# KiCad board CXD-ROUTER-V1.0_PUBLISH.kicad_pcb (continued)
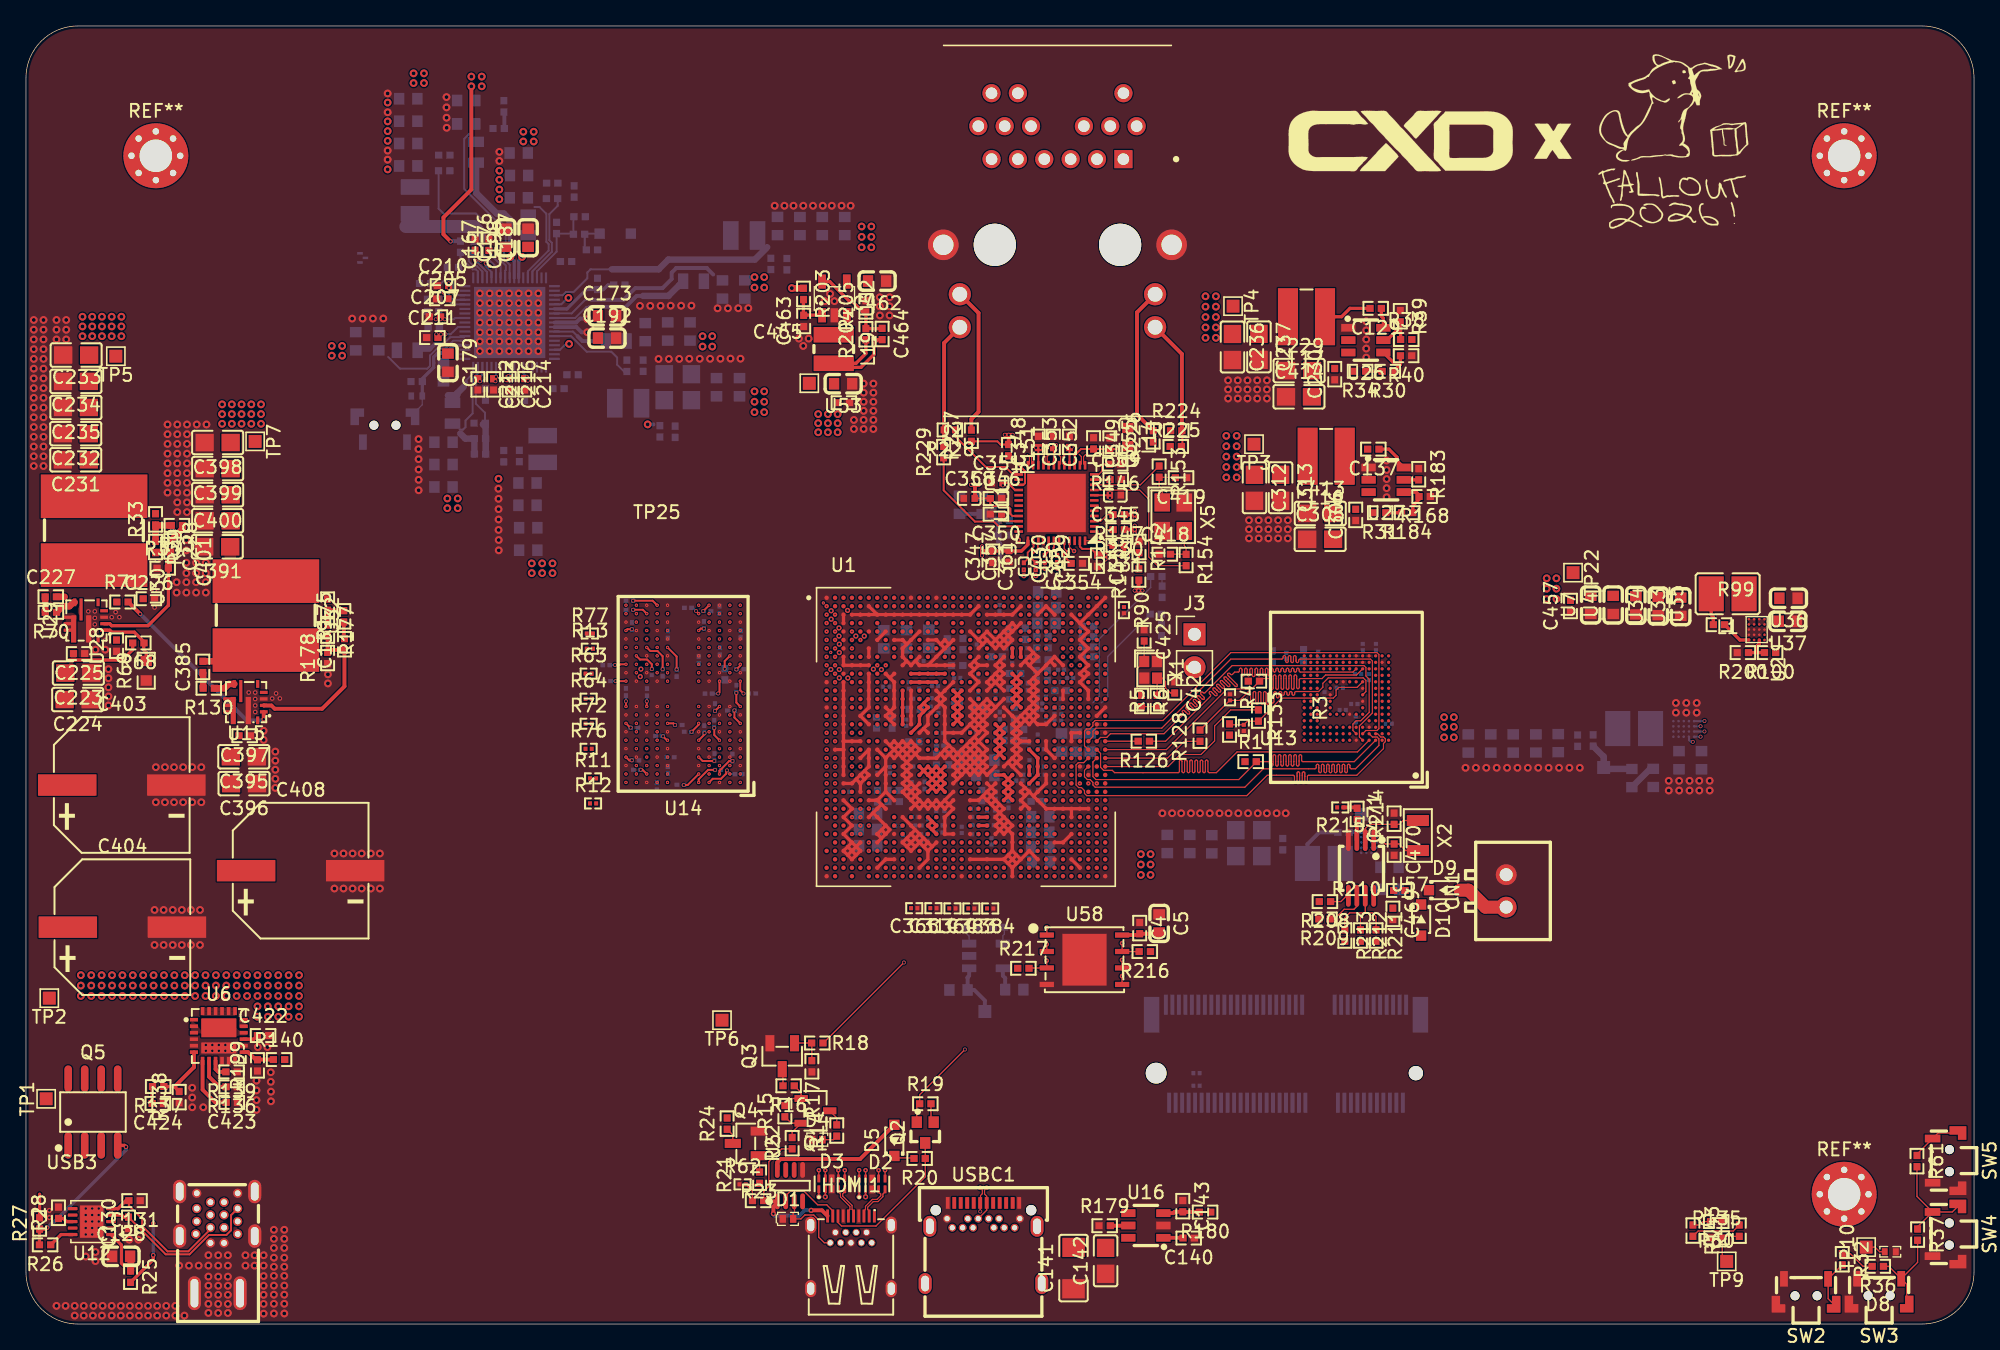
[diagram p0: board, top side]
## Footprints (pads in the part's own frame, mm; a bottom-side part is the same pattern mirrored in y, then rotated) (continued)
BLM18KG121TN1D
  rect 0.8x0.865 smd: 1(-0.7,0) 2(0.7,0)
BLM18PG330SN1D
  rect 0.8x0.865 smd: 1(-0.7,0) 2(0.7,0)
CL03A104KP3NNNC
  rect 0.37x0.325 smd: 1(-0.275,0) 2(0.275,0)
CL05A105KQ5NNNC
  rect 0.5x0.54 smd: 1(-0.42,0) 2(0.42,0)
CL10A106KP8NNNC
  rect 0.8x0.9 smd: 1(-0.7,0) 2(0.7,0)
CL10A226MQ8NRNC
  rect 0.8x0.9 smd: 1(-0.7,0) 2(0.7,0)
CL10B105KA8NNNC
  rect 0.8x0.9 smd: 1(-0.7,0) 2(0.7,0)
CL21A226KPCLRNC
  rect 1.41x1.35 smd: 1(-1,0) 2(1,0)
CL21A476MQYNNNE
  rect 1.41x1.35 smd: 1(-1,0) 2(1,0)
CRCW040222R0JNED
  rect 0.565x0.54 smd: 1(-0.435,0) 2(0.435,0)
CRCW0402249RFKED
  rect 0.565x0.54 smd: 1(-0.435,0) 2(0.435,0)
ESD5304D-10_TR
  rect 0.22x0.61 smd: 1(-1,-0.415) 2(-0.5,-0.415) 4(0.5,-0.415) 5(1,-0.415) 6(1,0.415) 7(0.5,0.415) 9(-0.5,0.415) 10(-1,0.415)
  rect 0.41x0.61 smd: 3(0,-0.415) 8(0,0.415)
ESD5341N-2_TR
  rect 0.5x0.6 smd: 1(-0.4,0) 2(0.4,0)
ESD5451N-2_TR
  rect 0.45x0.55 smd: 1(-0.425,0) 2(0.425,0)
FEXL0730A-3R3M
  rect 3.36x8.21 smd: 1(2.655,0) 2(-2.655,0)
FRC0402F1693TS
  rect 0.565x0.54 smd: 1(-0.435,0) 2(0.435,0)
FTC303020D2R2MBCA
  rect 1.2x3.1 smd: 1(-1.1,0) 2(1.1,0)
FTC322512SR22MBCA
  rect 1.935x2.7 smd: 1(-1.265,0) 2(1.265,0)
FTC404030S3R3MGCA
  rect 1.55x4.4 smd: 1(-1.425,0) 2(1.425,0)
GRM21BR61A476ME15L
  rect 1.41x1.35 smd: 1(-1,0) 2(1,0)
GRM21BR61H106KE43L
  rect 1.41x1.35 smd: 1(-1,0) 2(1,0)
GRM31CR61A107MEA8L
  rect 1.485x1.73 smd: 1(-1.595,0) 2(1.595,0)
GRM188R60J226KEA0D
  rect 0.8x0.9 smd: 1(-0.7,0) 2(0.7,0)
H9HCNNN8KUMLHR-NME
  oval 0.24x0.24 smd: 78.85(-1.2,-6.825) A1(-4.4,6.825) A2(-3.6,6.825) A3(-2.8,6.825) A4(-2,6.825) A5(-1.2,6.825) A8(1.2,6.825) A9(2,6.825) A10(2.8,6.825) A11(3.6,6.825) A12(4.4,6.825) AA1(-4.4,-6.175) AA2(-3.6,-6.175) AA3(-2.8,-6.175) AA4(-2,-6.175) AA5(-1.2,-6.175) AA8(1.2,-6.175) AA9(2,-6.175) AA10(2.8,-6.175) AA11(3.6,-6.175) AA12(4.4,-6.175) AB1(-4.4,-6.825) AB2(-3.6,-6.825) AB3(-2.8,-6.825) AB4(-2,-6.825) AB8(1.2,-6.825) AB9(2,-6.825) AB10(2.8,-6.825) AB11(3.6,-6.825) AB12(4.4,-6.825) B1(-4.4,6.175) B2(-3.6,6.175) B3(-2.8,6.175) B4(-2,6.175) B5(-1.2,6.175) B8(1.2,6.175) B9(2,6.175) B10(2.8,6.175) B11(3.6,6.175) B12(4.4,6.175) C1(-4.4,5.525) C2(-3.6,5.525) C3(-2.8,5.525) C4(-2,5.525) C5(-1.2,5.525) C8(1.2,5.525) C9(2,5.525) C10(2.8,5.525) C11(3.6,5.525) C12(4.4,5.525) D1(-4.4,4.875) D2(-3.6,4.875) D3(-2.8,4.875) D4(-2,4.875) D5(-1.2,4.875) D8(1.2,4.875) D9(2,4.875) D10(2.8,4.875) D11(3.6,4.875) D12(4.4,4.875) E1(-4.4,4.225) E2(-3.6,4.225) E3(-2.8,4.225) E4(-2,4.225) E5(-1.2,4.225) E8(1.2,4.225) E9(2,4.225) E10(2.8,4.225) E11(3.6,4.225) E12(4.4,4.225) F1(-4.4,3.575) F2(-3.6,3.575) F3(-2.8,3.575) F4(-2,3.575) F5(-1.2,3.575) F8(1.2,3.575) F9(2,3.575) F10(2.8,3.575) F11(3.6,3.575) F12(4.4,3.575) G1(-4.4,2.925) G2(-3.6,2.925) G3(-2.8,2.925) G4(-2,2.925) G5(-1.2,2.925) G8(1.2,2.925) G9(2,2.925) G10(2.8,2.925) G11(3.6,2.925) G12(4.4,2.925) H1(-4.4,2.275) H2(-3.6,2.275) H3(-2.8,2.275) H4(-2,2.275) H5(-1.2,2.275) H8(1.2,2.275) H9(2,2.275) H10(2.8,2.275) H11(3.6,2.275) H12(4.4,2.275) J1(-4.4,1.625) J2(-3.6,1.625) J3(-2.8,1.625) J4(-2,1.625) J5(-1.2,1.625) J8(1.2,1.625) J9(2,1.625) J10(2.8,1.625) J11(3.6,1.625) J12(4.4,1.625) K1(-4.4,0.975) K2(-3.6,0.975) K3(-2.8,0.975) K4(-2,0.975) K5(-1.2,0.975) K8(1.2,0.975) K9(2,0.975) K10(2.8,0.975) K11(3.6,0.975) K12(4.4,0.975) N1(-4.4,-0.975) N2(-3.6,-0.975) N3(-2.8,-0.975) N4(-2,-0.975) N5(-1.2,-0.975) N8(1.2,-0.975) N9(2,-0.975) N10(2.8,-0.975) N11(3.6,-0.975) N12(4.4,-0.975) P1(-4.4,-1.625) P2(-3.6,-1.625) P3(-2.8,-1.625) P4(-2,-1.625) P5(-1.2,-1.625) P8(1.2,-1.625) P9(2,-1.625) P10(2.8,-1.625) P11(3.6,-1.625) P12(4.4,-1.625) R1(-4.4,-2.275) R2(-3.6,-2.275) R3(-2.8,-2.275) R4(-2,-2.275) R5(-1.2,-2.275) R8(1.2,-2.275) R9(2,-2.275) R10(2.8,-2.275) R11(3.6,-2.275) R12(4.4,-2.275) T1(-4.4,-2.925) T2(-3.6,-2.925) T3(-2.8,-2.925) T4(-2,-2.925) T5(-1.2,-2.925) T8(1.2,-2.925) T9(2,-2.925) T10(2.8,-2.925) T11(3.6,-2.925) T12(4.4,-2.925) U1(-4.4,-3.575) U2(-3.6,-3.575) U3(-2.8,-3.575) U4(-2,-3.575) U5(-1.2,-3.575) U8(1.2,-3.575) U9(2,-3.575) U10(2.8,-3.575) U11(3.6,-3.575) U12(4.4,-3.575) V1(-4.4,-4.225) V2(-3.6,-4.225) V3(-2.8,-4.225) V4(-2,-4.225) V5(-1.2,-4.225) V8(1.2,-4.225) V9(2,-4.225) V10(2.8,-4.225) V11(3.6,-4.225) V12(4.4,-4.225) W1(-4.4,-4.875) W2(-3.6,-4.875) W3(-2.8,-4.875) W4(-2,-4.875) W5(-1.2,-4.875) W8(1.2,-4.875) W9(2,-4.875) W10(2.8,-4.875) W11(3.6,-4.875) W12(4.4,-4.875) Y1(-4.4,-5.525) Y2(-3.6,-5.525) Y3(-2.8,-5.525) Y4(-2,-5.525) Y5(-1.2,-5.525) Y8(1.2,-5.525) Y9(2,-5.525) Y10(2.8,-5.525) Y11(3.6,-5.525) Y12(4.4,-5.525)
HC-TYPE-C-16P-FL6_65Q-5A-06
  oval 1x1.8 hole 0.6x1.4: 1(-2.89,3.915) 2(2.89,3.915) 3(2.89,0.485) 4(-2.89,0.485)
  oval 1x2.6 hole 0.6x2.2: 5(-1.755,-3.915) 6(1.755,-3.915)
  oval 0.7x0.7 hole 0.45: A1(1.575,3.785) A4(0.525,3.095) A5(1.575,2.605) A6(0.525,2.115) A7(1.575,1.615) A8(0.525,1.135) A9(1.575,0.645) A12(0.525,-0.045) B1(-0.525,-0.045) B4(-1.65,0.645) B5(-0.525,1.135) B6(-1.575,1.615) B7(-0.525,2.115) B8(-1.575,2.605) B9(-0.525,3.095) B12(-1.575,3.785)
HDMI-GD-121PWB
  rect 0.22x1 smd: 1(1.8,2.8) 3(1.4,2.8) 5(1,2.8) 7(0.6,2.8) 9(0.2,2.8) 11(-0.2,2.8) 13(-0.6,2.8) 15(-1,2.8) 17(-1.4,2.8) 19(-1.8,2.8)
  oval 0.55x0.55 hole 0.4: 2(1.6,0.735) 4(1.2,1.535) 6(0.8,0.735) 8(0.4,1.535) 10(0,0.735) 12(-0.4,1.535) 14(-0.8,0.735) 16(-1.2,1.535) 18(-1.6,0.735)
  oval 0.85x1.3 hole 0.55x0.95: 20(-3.1,2.1) 21(-3.1,-2.795) 22(3.1,-2.8) 23(3.1,2.1)
HYM8563S
  oval 0.365x1.69 smd: 1(-0.975,-2.145) 2(-0.325,-2.145) 3(0.325,-2.145) 4(0.975,-2.145) 5(0.975,2.145) 6(0.325,2.145) 7(-0.325,2.145) 8(-0.975,2.145)
KLMBG2JETD-B041
  oval 0.25x0.25 smd: A1(-3.25,3.25) A2(-2.75,3.25) A3(-2.25,3.25) A4(-1.75,3.25) A5(-1.25,3.25) A6(-0.75,3.25) A7(-0.25,3.25) A8(0.25,3.25) A9(0.75,3.25) A10(1.25,3.25) A11(1.75,3.25) A12(2.25,3.25) A13(2.75,3.25) A14(3.25,3.25) B1(-3.25,2.75) B2(-2.75,2.75) B3(-2.25,2.75) B4(-1.75,2.75) B5(-1.25,2.75) B6(-0.75,2.75) B7(-0.25,2.75) B8(0.25,2.75) B9(0.75,2.75) B10(1.25,2.75) B11(1.75,2.75) B12(2.25,2.75) B13(2.75,2.75) B14(3.25,2.75) C1(-3.25,2.25) C2(-2.75,2.25) C3(-2.25,2.25) C4(-1.75,2.25) C5(-1.25,2.25) C6(-0.75,2.25) C7(-0.25,2.25) C8(0.25,2.25) C9(0.75,2.25) C10(1.25,2.25) C11(1.75,2.25) C12(2.25,2.25) C13(2.75,2.25) C14(3.25,2.25) D1(-3.25,1.75) D2(-2.75,1.75) D3(-2.25,1.75) D4(-1.75,1.75) D12(2.25,1.75) D13(2.75,1.75) D14(3.25,1.75) E1(-3.25,1.25) E2(-2.75,1.25) E3(-2.25,1.25) E5(-1.25,1.25) E6(-0.75,1.25) E7(-0.25,1.25) E8(0.25,1.25) E9(0.75,1.25) E10(1.25,1.25) E12(2.25,1.25) E13(2.75,1.25) E14(3.25,1.25) F1(-3.25,0.75) F2(-2.75,0.75) F3(-2.25,0.75) F5(-1.25,0.75) F10(1.25,0.75) F12(2.25,0.75) F13(2.75,0.75) F14(3.25,0.75) G1(-3.25,0.25) G2(-2.75,0.25) G3(-2.25,0.25) G5(-1.25,0.25) G10(1.25,0.25) G12(2.25,0.25) G13(2.75,0.25) G14(3.25,0.25) H1(-3.25,-0.25) H2(-2.75,-0.25) H3(-2.25,-0.25) H5(-1.25,-0.25) H10(1.25,-0.25) H12(2.25,-0.25) H13(2.75,-0.25) H14(3.25,-0.25) J1(-3.25,-0.75) J2(-2.75,-0.75) J3(-2.25,-0.75) J5(-1.25,-0.75) J10(1.25,-0.75) J12(2.25,-0.75) J13(2.75,-0.75) J14(3.25,-0.75) K1(-3.25,-1.25) K2(-2.75,-1.25) K3(-2.25,-1.25) K5(-1.25,-1.25) K6(-0.75,-1.25) K7(-0.25,-1.25) K8(0.25,-1.25) K9(0.75,-1.25) K10(1.25,-1.25) K12(2.25,-1.25) K13(2.75,-1.25) K14(3.25,-1.25) L1(-3.25,-1.75) L2(-2.75,-1.75) L3(-2.25,-1.75) L12(2.25,-1.75) L13(2.75,-1.75) L14(3.25,-1.75) M1(-3.25,-2.25) M2(-2.75,-2.25) M3(-2.25,-2.25) M4(-1.75,-2.25) M5(-1.25,-2.25) M6(-0.75,-2.25) M7(-0.25,-2.25) M8(0.25,-2.25) M9(0.75,-2.25) M10(1.25,-2.25) M11(1.75,-2.25) M12(2.25,-2.25) M13(2.75,-2.25) M14(3.25,-2.25) N1(-3.25,-2.75) N2(-2.75,-2.75) N3(-2.25,-2.75) N4(-1.75,-2.75) N5(-1.25,-2.75) N6(-0.75,-2.75) N7(-0.25,-2.75) N8(0.25,-2.75) N9(0.75,-2.75) N10(1.25,-2.75) N11(1.75,-2.75) N12(2.25,-2.75) N13(2.75,-2.75) N14(3.25,-2.75) P1(-3.25,-3.25) P2(-2.75,-3.25) P3(-2.25,-3.25) P4(-1.75,-3.25) P5(-1.25,-3.25) P6(-0.75,-3.25) P7(-0.25,-3.25) P8(0.25,-3.25) P9(0.75,-3.25) P10(1.25,-3.25) P11(1.75,-3.25) P12(2.25,-3.25) P13(2.75,-3.25) P14(3.25,-3.25)
MountingHole_2.5mm_Pad_Via
  round 0.8 hole 0.5: 1(-1.875,0) 1(-1.326,1.326) 1(-1.326,-1.326) 1(0,1.875) 1(0,-1.875) 1(1.326,1.326) 1(1.326,-1.326) 1(1.875,0)
  round 5 hole 2.5: 1(0,0)
MTC201208-R47MT
  rect 0.8x1.2 smd: 1(-0.8,0) 2(0.8,0)
PinHeader_1x02_P2.54mm_Vertical
  rect 1.7x1.7 hole 1: 1(0,0)
  round 1.7 hole 1: 2(0,-2.54)
PULSE_JT4-1108HL
  round 3.25 hole 3.25 unplated: (-4.825,-6.6) (4.825,-6.6)
  rect 1.398x1.398 hole 0.89: 1(5.075,0)
  round 1.398 hole 0.89: 2(3.045,0) 3(1.015,0) 4(-1.015,0) 5(-3.045,0) 6(-5.075,0) 7(6.095,2.54) 8(4.065,2.54) 9(2.035,2.54) 10(-2.035,2.54) 11(-4.065,2.54) 12(-6.095,2.54) 13(5.08,5.08) 14(-3.05,5.08) 15(-5.08,5.08)
  round 1.71 hole 1.14: 16(7.52,-10.41) 17(7.52,-12.95) 18(-7.52,-10.41) 19(-7.52,-12.95)
  round 2.355 hole 1.57: 20(-8.79,-6.6) 21(8.79,-6.6)
QFN35P700X700X90-69N
  rrect 0.84x0.17 smd: 1(-3.445,2.8) 2(-3.445,2.45) 3(-3.445,2.1) 4(-3.445,1.75) 5(-3.445,1.4) 6(-3.445,1.05) 7(-3.445,0.7) 8(-3.445,0.35) 9(-3.445,0) 10(-3.445,-0.35) 11(-3.445,-0.7) 12(-3.445,-1.05) 13(-3.445,-1.4) 14(-3.445,-1.75) 15(-3.445,-2.1) 16(-3.445,-2.45) 17(-3.445,-2.8) 35(3.445,-2.8) 36(3.445,-2.45) 37(3.445,-2.1) 38(3.445,-1.75) 39(3.445,-1.4) 40(3.445,-1.05) 41(3.445,-0.7) 42(3.445,-0.35) 43(3.445,0) 44(3.445,0.35) 45(3.445,0.7) 46(3.445,1.05) 47(3.445,1.4) 48(3.445,1.75) 49(3.445,2.1) 50(3.445,2.45) 51(3.445,2.8)
  rrect 0.17x0.84 smd: 18(-2.8,-3.445) 19(-2.45,-3.445) 20(-2.1,-3.445) 21(-1.75,-3.445) 22(-1.4,-3.445) 23(-1.05,-3.445) 24(-0.7,-3.445) 25(-0.35,-3.445) 26(0,-3.445) 27(0.35,-3.445) 28(0.7,-3.445) 29(1.05,-3.445) 30(1.4,-3.445) 31(1.75,-3.445) 32(2.1,-3.445) 33(2.45,-3.445) 34(2.8,-3.445) 52(2.8,3.445) 53(2.45,3.445) 54(2.1,3.445) 55(1.75,3.445) 56(1.4,3.445) 57(1.05,3.445) 58(0.7,3.445) 59(0.35,3.445) 60(0,3.445) 61(-0.35,3.445) 62(-0.7,3.445) 63(-1.05,3.445) 64(-1.4,3.445) 65(-1.75,3.445) 66(-2.1,3.445) 67(-2.45,3.445) 68(-2.8,3.445)
  rect 5.49x5.49 smd: 69(0,0)
RC0201FR-0747KL
  rect 0.305x0.325 smd: 1(-0.24,0) 2(0.24,0)
RC0201FR-0749R9L
  rect 0.305x0.325 smd: 1(-0.24,0) 2(0.24,0)
RC0201FR-07200KL
  rect 0.305x0.325 smd: 1(-0.24,0) 2(0.24,0)
RC0201FR-07240RL
  rect 0.305x0.325 smd: 1(-0.24,0) 2(0.24,0)
RC0402FR-071KL
  rect 0.565x0.54 smd: 1(-0.435,0) 2(0.435,0)
RC0402FR-071ML
  rect 0.565x0.54 smd: 1(-0.435,0) 2(0.435,0)
RC0402FR-072K2L
  rect 0.565x0.54 smd: 1(-0.435,0) 2(0.435,0)
RC0402FR-072K49L
  rect 0.565x0.54 smd: 1(-0.435,0) 2(0.435,0)
RC0402FR-073KL
  rect 0.565x0.54 smd: 1(-0.435,0) 2(0.435,0)
RC0402FR-074K7L
  rect 0.565x0.54 smd: 1(-0.435,0) 2(0.435,0)
RC0402FR-075K1L
  rect 0.565x0.54 smd: 1(-0.435,0) 2(0.435,0)
RC0402FR-076K8L
  rect 0.565x0.54 smd: 1(-0.435,0) 2(0.435,0)
RC0402FR-0710KL
  rect 0.565x0.54 smd: 1(-0.435,0) 2(0.435,0)
RC0402FR-0710RL
  rect 0.565x0.54 smd: 1(-0.435,0) 2(0.435,0)
RC0402FR-0712KL
  rect 0.565x0.54 smd: 1(-0.435,0) 2(0.435,0)
RC0402FR-0715KL
  rect 0.565x0.54 smd: 1(-0.435,0) 2(0.435,0)
RC0402FR-0720KL
  rect 0.565x0.54 smd: 1(-0.435,0) 2(0.435,0)
RC0402FR-0733K2L
  rect 0.565x0.54 smd: 1(-0.435,0) 2(0.435,0)
RC0402FR-0749K9L
  rect 0.565x0.54 smd: 1(-0.435,0) 2(0.435,0)
RC0402FR-0768KL
  rect 0.565x0.54 smd: 1(-0.435,0) 2(0.435,0)
RC0402FR-07100KL
  rect 0.565x0.54 smd: 1(-0.435,0) 2(0.435,0)
RC0402FR-07100RL
  rect 0.565x0.54 smd: 1(-0.435,0) 2(0.435,0)
RC0402FR-07120KL
  rect 0.565x0.54 smd: 1(-0.435,0) 2(0.435,0)
RC0402FR-07300RL
  rect 0.565x0.54 smd: 1(-0.435,0) 2(0.435,0)
RC0402FR-07510KL
  rect 0.565x0.54 smd: 1(-0.435,0) 2(0.435,0)
RC0402FR-07510RL
  rect 0.565x0.54 smd: 1(-0.435,0) 2(0.435,0)
RC0402JR-070RL
  rect 0.565x0.54 smd: 1(-0.435,0) 2(0.435,0)
RC0402JR-071KL
  rect 0.565x0.54 smd: 1(-0.435,0) 2(0.435,0)
RC0402JR-0710KL
  rect 0.565x0.54 smd: 1(-0.435,0) 2(0.435,0)
RC0402JR-0720KL
  rect 0.565x0.54 smd: 1(-0.435,0) 2(0.435,0)
RC0402JR-0722RL
  rect 0.565x0.54 smd: 1(-0.435,0) 2(0.435,0)
RC0402JR-0727KL
  rect 0.565x0.54 smd: 1(-0.435,0) 2(0.435,0)
RC0402JR-07100KL
  rect 0.565x0.54 smd: 1(-0.435,0) 2(0.435,0)
RCLAMP0512TQTCT
  rect 0.2x0.43 smd: 1(-0.35,-0.21) 2(0.35,-0.21) 3(0,0.21)
RK860-2
  oval 0.2x0.2 smd: A1(-0.6,0.8) A2(-0.2,0.8) A3(0.2,0.8) A4(0.6,0.8) B1(-0.6,0.4) B2(-0.2,0.4) B3(0.2,0.4) B4(0.6,0.4) C1(-0.6,0) C2(-0.2,0) C3(0.2,0) C4(0.6,0) D1(-0.6,-0.4) D2(-0.2,-0.4) D3(0.2,-0.4) D4(0.6,-0.4) E1(-0.6,-0.8) E2(-0.2,-0.8) E3(0.2,-0.8) E4(0.6,-0.8)
RK860-3
  oval 0.2x0.2 smd: A1(-0.6,0.8) A2(-0.2,0.8) A3(0.2,0.8) A4(0.6,0.8) B1(-0.6,0.4) B2(-0.2,0.4) B3(0.2,0.4) B4(0.6,0.4) C1(-0.6,0) C2(-0.2,0) C3(0.2,0) C4(0.6,0) D1(-0.6,-0.4) D2(-0.2,-0.4) D3(0.2,-0.4) D4(0.6,-0.4) E1(-0.6,-0.8) E2(-0.2,-0.8) E3(0.2,-0.8) E4(0.6,-0.8)
RS0102YH8
  oval 0.365x1.22 smd: 1(-0.975,-1.21) 2(-0.325,-1.21) 3(0.325,-1.21) 4(0.975,-1.21) 5(0.975,1.21) 6(0.325,1.21) 7(-0.325,1.21) 8(-0.975,1.21)
RT0402BRD0723K7L
  rect 0.565x0.54 smd: 1(-0.435,0) 2(0.435,0)
RT0402BRD0745K3L
  rect 0.565x0.54 smd: 1(-0.435,0) 2(0.435,0)
RT0402BRD0752K3L
  rect 0.565x0.54 smd: 1(-0.435,0) 2(0.435,0)
RT0402BRD07200KL
  rect 0.565x0.54 smd: 1(-0.435,0) 2(0.435,0)
RT0603BRD0736K1L
  rect 0.805x0.865 smd: 1(-0.755,0) 2(0.755,0)
RTL8125BG-CG
  rect 0.2x0.665 smd: 1(-2.2,-2.91) 2(-1.8,-2.91) 3(-1.4,-2.91) 4(-1,-2.91) 5(-0.6,-2.91) 6(-0.2,-2.91) 7(0.2,-2.91) 8(0.6,-2.91) 9(1,-2.91) 10(1.4,-2.91) 11(1.8,-2.91) 12(2.2,-2.91) 25(2.2,2.91) 26(1.8,2.91) 27(1.4,2.91) 28(1,2.91) 29(0.6,2.91) 30(0.2,2.91) 31(-0.2,2.91) 32(-0.6,2.91) 33(-1,2.91) 34(-1.4,2.91) 35(-1.8,2.91) 36(-2.2,2.91)
  rect 0.665x0.2 smd: 13(2.91,-2.2) 14(2.91,-1.8) 15(2.91,-1.4) 16(2.91,-1) 17(2.91,-0.6) 18(2.91,-0.2) 19(2.91,0.2) 20(2.91,0.6) 21(2.91,1) 22(2.91,1.4) 23(2.91,1.8) 24(2.91,2.2) 37(-2.91,2.2) 38(-2.91,1.8) 39(-2.91,1.4) 40(-2.91,1) 41(-2.91,0.6) 42(-2.91,0.2) 43(-2.91,-0.2) 44(-2.91,-0.6) 45(-2.91,-1) 46(-2.91,-1.4) 47(-2.91,-1.8) 48(-2.91,-2.2)
  rect 4.5x4.5 smd: 49(0,0)
S8050-J3Y_C18221467
  rect 1.25x0.7 smd: 1(1,-0.95) 2(1,0.95) 3(-1,0)
SC-32S32_768kHz20PPM12_5pF
  rect 0.85x1.7 smd: 1(-1.155,0) 2(1.155,0)
SGM2576YN5G_TR
  rect 1.1x0.6 smd: 1(-1.3,0.95) 2(-1.3,0) 3(-1.3,-0.95) 4(1.3,-0.95) 5(1.3,0.95)
SY8089AAAC
  rect 1.1x0.6 smd: 1(1.3,-0.95) 2(1.3,0) 3(1.3,0.95) 4(-1.3,0.95) 5(-1.3,-0.95)
TestPoint_Pad_1.0x1.0mm
  rect 1x1 smd: 1(0,0)
TPS56A37RPAR
  rect 0.25x0.6 smd: 1(-0.75,-1.315) 2(-0.25,-1.315) 3(0.25,-1.315) 4(0.75,-1.315)
  rect 0.6x0.25 smd: 5(1.4,-0.85) 7(1.4,0.95) 10(-1.4,-0.85)
  rect 1.7x0.25 smd: 6(0.85,0.455)
  custom 2.1x0.97 smd: 8(-0.65,1.315)
  rect 2.1x0.4 smd: 9(-0.65,-0.13)
TPS2553DBVR
  rect 1.1x0.6 smd: 1(1.35,-0.95) 2(1.35,0) 3(1.35,0.95) 4(-1.35,0.95) 5(-1.35,0) 6(-1.35,-0.95)
TPS56637RPAR
  rect 0.6x0.25 smd: 1(-1.36,0.75) 2(-1.36,0.25) 3(-1.36,-0.25) 4(-1.36,-0.75)
  rect 0.25x0.6 smd: 5(-0.89,-1.4) 7(0.91,-1.4) 10(-0.89,1.4)
  rect 0.25x1.7 smd: 6(0.41,-0.85)
  rect 0.4x2.1 smd: 8(0.99,0.65) 9(-0.17,0.65)
  rect 0.8x0.25 smd: 8(1.36,0.75) 8(1.36,0.25) 8(1.36,-0.25)
TPS259804ONRGER
  rect 0.625x0.28 smd: 1(-1.915,1.25) 2(-1.915,0.75) 3(-1.915,0.25) 4(-1.915,-0.25) 5(-1.915,-0.75) 6(-1.915,-1.25) 13(1.915,-1.25) 14(1.915,-0.75) 15(1.915,-0.25) 16(1.915,0.25) 17(1.915,0.75) 18(1.915,1.25)
  rect 0.28x0.625 smd: 7(-1.25,-1.915) 8(-0.75,-1.915) 9(-0.25,-1.915) 10(0.25,-1.915) 11(0.75,-1.915) 12(1.25,-1.915) 19(1.25,1.915) 20(0.75,1.915) 21(0.25,1.915) 22(-0.25,1.915) 23(-0.75,1.915) 24(-1.25,1.915)
  rect 2.7x1.45 smd: 25(0,0.625)
  rect 2.7x0.85 smd: 26(0,-0.925)
TPS563201DDCR
  rect 1.1x0.6 smd: 1(1.35,-0.95) 2(1.35,0) 3(1.35,0.95) 4(-1.35,0.95) 5(-1.35,0) 6(-1.35,-0.95)
TS24CA
  round 0.7 hole 0.7 unplated: (-0.85,0.325) (0.85,0.325)
  rect 0.6x1.2 smd: 1(-1.7,-0.975) 2(1.7,-0.975)
  custom 1.05x1.3 smd: 3(2.125,0.975) 4(-2.125,0.975)
TYPE-C-31-M-04
  round 0.8 hole 0.8 unplated: (-3.675,2.545) (3.675,2.545)
  oval 1x1.6 hole 0.6x1.2: 0(-4.49,-3.105) 0(-4.13,1.305) 0(4.13,1.305) 0(4.49,-3.105)
  rect 0.3x0.9 smd: A1(-2.75,3.105) A2(-2.25,3.105) A3(-1.75,3.105) A4(-1.25,3.105) A5(-0.75,3.105) A6(-0.25,3.105) A7(0.25,3.105) A8(0.75,3.105) A9(1.25,3.105) A10(1.75,3.105) A11(2.25,3.105) A12(2.75,3.105)
  oval 0.6x0.6 hole 0.4: B1(2.8,1.895) B2(2.4,1.195) B3(1.6,1.195) B4(1.2,1.895) B5(0.8,1.195) B6(0.4,1.895) B7(-0.4,1.895) B8(-0.8,1.195) B9(-1.2,1.895) B10(-1.6,1.195) B11(-2.4,1.195) B12(-2.8,1.895)
VKME1001K101MV
  rect 4.5x1.65 smd: 1(-4.2,0) 2(4.2,0)
W25Q256JWPIQ
  rect 1.1x0.4 smd: 1(-2.9,1.905) 2(-2.9,0.635) 3(-2.9,-0.635) 4(-2.9,-1.905) 5(2.9,-1.905) 6(2.9,-0.635) 7(2.9,0.635) 8(2.9,1.905)
  rect 3.4x4 smd: 9(0,0)
WDFN-10-1EP_3x3mm_P0.5mm_EP1.8x2.5mm
  rrect 0.73x1.01 smd: (-0.45,0.625) (-0.45,-0.625) (0.45,0.625) (0.45,-0.625)
  rrect 0.75x0.25 smd: 1(-1.475,1) 2(-1.475,0.5) 3(-1.475,0) 4(-1.475,-0.5) 5(-1.475,-1) 6(1.475,-1) 7(1.475,-0.5) 8(1.475,0) 9(1.475,0.5) 10(1.475,1)
  rect 1.8x2.5 smd: 11(0,0)
WPM3407-3_TR
  rect 1.035x0.53 smd: 1(1.1,-0.95) 2(1.1,0.95) 3(-1.1,0)
XL2EL89COI-111YLC-25M
  rect 1.4x1.2 smd: 1(-1.1,-0.85) 2(1.1,-0.85) 3(1.1,0.85) 4(-1.1,0.85)
XL7EL89CKI-111YLC-24M
  rect 0.875x0.775 smd: 1(-0.64,-0.49) 2(0.64,-0.49) 3(0.64,0.49) 4(-0.64,0.49)

## Nets
0V95_ETH: C312.1 C313.1 C345.2 C347.2 C348.1 C351.2 C353.1 C356.1 C357.2 C359.1 L16.2 R31.2 TP3.1 U11.8 U11.11 U11.16 U11.22 U11.28 U11.37 U11.47
3V3_M0: C391.1 C398.1 C399.1 C400.1 C401.1 CN2.2 CN2.4 CN2.72 CN2.74 R176.2 TP7.1 U32.2
3V3_M1: TP6.1
/5V_USB_1: C141.2 C142.2 U16.6 USBC1.A4 USBC1.A9 USBC1.B4 USBC1.B9
/15V_PD_OUT: C223.2 C224.2 C225.2 C229.2 C230.2 C395.2 C396.2 C397.2 C403.1 C404.1 C408.1 C414.2 R38.2 R68.2 R140.2 TP2.1 U6.17 U6.18 U6.19 U6.20 U6.21 U6.22 U6.23 U6.24 U15.8 U26.3 U29.8
/15V_PD_OUT_UNFUSED: C424.2 Q5.5 Q5.6 Q5.7 Q5.8 R137.2 TP1.1 U6.1 U6.2 U6.3 U6.16 U6.25
/ETHERNET & MAGNETICS/AVDD33_PLL_E2: C349.2 C355.2 L14.2 U11.15
/ETHERNET & MAGNETICS/DVDD33_29_E2: U11.29 U11.46
GND: C1.1 C2.1 C3.2 C4.1 C5.1 C6.1 C7.1 C8.1 C9.1 C10.1 C11.2 C12.2 C13.1 C14.2 C15.2 C16.2 C17.2 C18.2 C19.2 C20.2 C21.2 C22.2 C23.2 C24.2 C25.2 C26.2 C27.2 C28.2 C29.2 C30.2 C31.2 C32.1 C33.1 C34.1 C35.1 C36.1 C37.1 C38.1 C39.1 C43.1 C46.2 C47.2 C48.2 C49.2 C50.2 C51.2 C53.1 C54.1 C55.1 C56.1 C57.1 C58.1 C59.1 C60.2 C61.2 C62.2 C63.2 C64.2 C65.2 C66.2 C67.2 C68.1 C69.1 C70.1 C71.1 C72.1 C73.1 C74.2 C75.2 C76.2 C77.1 C78.1 C79.1 C80.1 C81.1 C82.1 C83.2 C84.1 C85.1 C86.2 C87.2 C88.2 C89.2 C90.2 C91.2 C92.2 C93.2 C94.1 C95.1 C96.1 C97.1 C98.1 C99.2 C100.2 C101.2 C102.1 C103.1 C104.1 C105.1 C106.1 C107.1 C108.1 C109.1 C110.1 C111.1 C112.1 C113.1 C114.1 C115.1 C116.1 C117.1 C118.2 C119.2 C120.2 C121.1 C122.1 C123.1 C125.2 C126.2 C127.2 C128.1 C130.1 C131.1 C140.1 C141.1 C142.1 C143.1 C149.2 C151.1 C152.1 C153.1 C154.1 C155.2 C157.1 C158.1 C159.1 C160.1 C161.2 C163.1 C164.1 C165.1 C166.1 C167.2 C169.1 C170.1 C171.1 C172.1 C173.2 C174.1 C175.1 C176.2 C177.1 C178.1 C179.2 C180.1 C181.1 C182.2 C184.1 C185.1 C186.1 C187.2 C188.1 C189.1 C190.1 C192.2 C193.1 C194.1 C195.1 C197.1 C198.1 C200.2 C201.2 C202.1 C203.1 C204.1 C205.1 C206.1 C207.1 C208.1 C209.1 C210.1 C211.1 C212.2 C213.2 C214.2 C215.2 C216.2 C223.1 C224.1 C225.1 C226.2 C229.1 C230.1 C231.2 C232.2 C233.2 C234.2 C235.2 C236.2 C237.2 C238.2 C239.2 C256.1 C257.1 C260.1 C262.1 C263.1 C264.1 C265.1 C266.1 C267.1 C268.1 C269.1 C270.1 C271.1 C272.1 C273.1 C274.1 C275.1 C276.1 C277.1 C278.1 C280.1 C281.1 C282.1 C286.1 C287.1 C288.1 C289.1 C290.1 C291.1 C292.1 C293.1 C295.1 C296.1 C297.1 C298.1 C299.2 C300.2 C301.2 C302.2 C305.1 C306.1 C307.2 C312.2 C313.2 C314.1 C317.1 C318.1 C319.1 C320.1 C321.1 C322.1 C323.1 C324.1 C325.1 C326.1 C327.1 C345.1 C346.2 C347.1 C348.2 C349.1 C350.2 C351.1 C352.2 C353.2 C354.1 C355.1 C356.2 C357.1 C358.1 C359.2 C364.1 C365.1 C383.1 C384.1 C391.2 C395.1 C396.1 C397.1 C398.2 C399.2 C400.2 C401.2 C403.2 C404.2 C405.1 C407.1 C408.2 C409.1 C410.1 C411.1 C412.1 C413.1 C414.1 C418.1 C419.1 C422.2 C423.1 C424.1 C425.1 C426.1 C438.1 C439.1 C457.1 C458.1 C459.1 C460.1 C461.1 C462.1 C463.1 C465.1 C466.1 C467.1 C469.2 C470.2 C471.2 C472.1 C474.1 C475.1 C476.1 C477.1 C478.1 C479.1 C481.1 CN1.2 CN2.1 CN2.7 CN2.18 CN2.33 CN2.39 CN2.45 CN2.51 CN2.57 CN2.63 CN2.69 CN2.75 CN2.76 CN2.77 D1.1 D2.3 D2.8 D3.3 D3.8 D4.1 D6.2 D7.2 D8.1 HDMI1.4 HDMI1.7 HDMI1.10 HDMI1.13 HDMI1.16 HDMI1.20 HDMI1.21 HDMI1.22 HDMI1.23 J2.20 J2.21 Q3.2 Q4.2 R4.1 R17.2 R28.2 R35.1 R39.1 R40.1 R49.1 R51.1 R54.2 R58.1 R59.1 R60.1 R62.1 R69.1 R90.2 R113.1 R114.1 R135.1 R136.1 R138.1 R139.1 R142.1 R146.1 R168.1 R178.1 R179.1 R183.1 R199.1 R200.2 R205.2 R206.1 SW1.1 SW1.2 SW1.3 SW2.2 SW2.3 SW3.2 SW3.3 SW4.2 SW4.3 SW5.2 SW5.3 U1.A1 U1.A11 U1.A14 U1.A34 U1.AA3 U1.AA6 U1.AA8 U1.AA10 U1.AA11 U1.AA16 U1.AA17 U1.AA18 U1.AA19 U1.AA20 U1.AA21 U1.AA22 U1.AA23 U1.AA24 U1.AA31 U1.AB3 U1.AB5 U1.AB6 U1.AB7 U1.AB8 U1.AB10 U1.AB11 U1.AB16 U1.AB17 U1.AB18 U1.AB19 U1.AB20 U1.AB24 U1.AB27 U1.AB29 U1.AB32 U1.AC3 U1.AC4 U1.AC5 U1.AC8 U1.AC10 U1.AC11 U1.AC12 U1.AC16 U1.AC20 U1.AC21 U1.AC24 U1.AC27 U1.AD5 U1.AD8 U1.AD10 U1.AD11 U1.AD12 U1.AD16 U1.AD20 U1.AD21 U1.AD24 U1.AD25 U1.AD26 U1.AE3 U1.AE6 U1.AE7 U1.AE9 U1.AE11 U1.AE12 U1.AE13 U1.AE14 U1.AE15 U1.AE16 U1.AE18 U1.AE19 U1.AE20 U1.AE21 U1.AE24 U1.AE26 U1.AF4 U1.AF7 U1.AF8 U1.AF11 U1.AF12 U1.AF13 U1.AF14 U1.AF15 U1.AF16 U1.AF21 U1.AF22 U1.AF24 U1.AF25 U1.AF27 U1.AF28 U1.AF29 U1.AF30 U1.AF31 U1.AF32 U1.AG3 U1.AG6 U1.AG7 U1.AG10 U1.AG12 U1.AG15 U1.AG18 U1.AG21 U1.AG22 U1.AG30 U1.AH4 U1.AH8 U1.AH11 U1.AH12 U1.AH15 U1.AH21 U1.AH22 U1.AH23 U1.AJ3 U1.AJ7 U1.AJ8 U1.AJ9 U1.AJ11 U1.AJ12 U1.AJ15 U1.AJ16 U1.AJ18 U1.AJ21 U1.AJ22 U1.AJ23 U1.AJ30 U1.AK4 U1.AK5 U1.AK7 U1.AK10 U1.AK11 U1.AK12 U1.AK13 U1.AK14 U1.AK23 U1.AK28 U1.AK29 U1.AL3 U1.AL4 U1.AL5 U1.AL11 U1.AL13 U1.AL23 U1.AL25 U1.AM4 U1.AM8 U1.AM9 U1.AM18 U1.AM20 U1.AM22 U1.AM23 U1.AM24 U1.AM26 U1.AM28 U1.AM30 U1.AN7 U1.AN12 U1.AN23 U1.AN31 U1.AP1 U1.AP17 U1.AP23 U1.AP34 U1.B6 U1.B19 U1.B24 U1.B27 U1.B33 U1.C3 U1.C4 U1.C5 U1.C6 U1.C7 U1.C8 U1.C9 U1.C10 U1.C11 U1.C12 U1.C13 U1.C14 U1.C15 U1.C16 U1.C17 U1.C18 U1.C20 U1.C21 U1.C22 U1.C23 U1.C26 U1.C28 U1.C30 U1.C32 U1.D3 U1.D23 U1.D24 U1.D31 U1.E3 U1.E6 U1.E8 U1.E12 U1.E18 U1.E20 U1.E22 U1.E23 U1.E32 U1.F3 U1.F7 U1.F9 U1.F10 U1.F11 U1.F13 U1.F14 U1.F15 U1.F16 U1.F19 U1.F20 U1.F21 U1.F22 U1.F23 U1.F31 U1.G3 U1.G6 U1.G10 U1.G15 U1.G19 U1.G21 U1.G22 U1.G25 U1.G32 U1.H3 U1.H6 U1.H10 U1.H12 U1.H14 U1.H19 U1.H22 U1.H25 U1.H26 U1.H28 U1.H31 U1.J3 U1.J4 U1.J5 U1.J6 U1.J10 U1.J11 U1.J12 U1.J13 U1.J14 U1.J15 U1.J16 U1.J18 U1.J19 U1.J20 U1.J21 U1.J22 U1.J23 U1.J24 U1.J25 U1.J27 U1.J28 U1.J29 U1.J32 U1.K3 U1.K6 U1.K8 U1.K9 U1.K18 U1.K21 U1.K22 U1.K26 U1.K31 U1.K32 U1.L1 U1.L3 U1.L6 U1.L9 U1.L16 U1.L19 U1.L20 U1.L21 U1.L22 U1.L25 U1.L26 U1.L31 U1.M3 U1.M6 U1.M9 U1.M11 U1.M14 U1.M15 U1.M18 U1.M20 U1.M22 U1.M25 U1.M26 U1.M29 U1.M32 U1.N3 U1.N6 U1.N9 U1.N11 U1.N14 U1.N15 U1.N18 U1.N20 U1.N22 U1.N25 U1.N26 U1.N29 U1.N32 U1.P1 U1.P3 U1.P6 U1.P8 U1.P9 U1.P11 U1.P14 U1.P15 U1.P18 U1.P19 U1.P20 U1.P21 U1.P22 U1.P25 U1.P26 U1.P34 U1.R3 U1.R5 U1.R8 U1.R9 U1.R11 U1.R13 U1.R15 U1.R18 U1.R19 U1.R20 U1.R21 U1.R22 U1.R23 U1.R24 U1.R25 U1.R26 U1.R28 U1.R33 U1.T3 U1.T6 U1.T9 U1.T11 U1.T13 U1.T15 U1.T18 U1.T19 U1.T20 U1.T23 U1.T24 U1.T25 U1.T26 U1.T27 U1.T33 U1.U3 U1.U12 U1.U13 U1.U15 U1.U16 U1.U17 U1.U19 U1.U20 U1.U23 U1.U24 U1.U30 U1.U31 U1.U34 U1.V3 U1.V4 U1.V5 U1.V8 U1.V9 U1.V10 U1.V11 U1.V15 U1.V18 U1.V19 U1.V23 U1.V24 U1.V25 U1.V27 U1.V30 U1.W2 U1.W3 U1.W6 U1.W7 U1.W9 U1.W10 U1.W11 U1.W12 U1.W15 U1.W16 U1.W17 U1.W18 U1.W19 U1.W20 U1.W23 U1.W24 U1.W27 U1.Y3 U1.Y5 U1.Y6 U1.Y8 U1.Y9 U1.Y10 U1.Y11 U1.Y12 U1.Y13 U1.Y14 U1.Y15 U1.Y16 U1.Y17 U1.Y18 U1.Y19 U1.Y20 U1.Y23 U1.Y24 U1.Y28 U2.B2 U2.B3 U2.B4 U2.C1 U2.C2 U2.C3 U2.C4 U4.1 U5.5 U6.4 U6.5 U6.10 U6.11 U6.12 U6.14 U6.26 U7.1 U11.40 U11.49 U12.11 U13.A6 U13.C4 U13.E7 U13.G5 U13.H10 U13.J5 U13.K8 U13.N2 U13.N5 U13.P4 U13.P6 U14.A3 U14.A10 U14.AB3 U14.AB8 U14.AB10 U14.C1 U14.C5 U14.C8 U14.C12 U14.D2 U14.D4 U14.D9 U14.D11 U14.E1 U14.E5 U14.E8 U14.E12 U14.G1 U14.G3 U14.G5 U14.G8 U14.G10 U14.G12 U14.J1 U14.J3 U14.J10 U14.J12 U14.K2 U14.K4 U14.K9 U14.K11 U14.N2 U14.N4 U14.N9 U14.N11 U14.P1 U14.P3 U14.P10 U14.P12 U14.T1 U14.T3 U14.T5 U14.T8 U14.T10 U14.T12 U14.V1 U14.V5 U14.V8 U14.V12 U14.W2 U14.W4 U14.W9 U14.W11 U14.Y1 U14.Y5 U14.Y8 U14.Y12 U15.3 U15.9 U16.2 U18.43 U18.44 U18.69 U19.3 U26.1 U27.1 U28.1 U29.3 U29.9 U33.1 U34.1 U35.1 U36.1 U37.1 U38.1 U39.1 U40.B2 U40.B3 U40.B4 U40.C1 U40.C2 U40.C3 U40.C4 U41.1 U42.1 U43.1 U44.1 U45.1 U46.2 U47.1 U48.1 U49.1 U50.1 U51.1 U52.2 U53.1 U54.B2 U54.B3 U54.B4 U54.C1 U54.C2 U54.C3 U54.C4 U55.1 U57.4 U58.4 U58.9 USB3.1 USB3.2 USB3.3 USB3.4 USB3.5 USB3.6 USB3.A1 USB3.A12 USB3.B1 USB3.B12 USBC1.A1 USBC1.A12 USBC1.B1 USBC1.B12 X1.2 X1.4 X5.2 X5.4
VCC1V8_PMU_DDR_S3: C46.1 C301.1 R47.1 R48.1 R215.2 U1.N28 U1.R27 U14.F1 U14.F12 U14.G4 U14.G9 U14.T4 U14.T9 U14.U1 U14.U12
VCC3V3_ETH: C236.1 C237.1 C346.1 C350.1 C352.1 C358.2 L14.1 L17.2 R34.2 R141.1 R147.1 R151.1 R224.1 R227.1 R230.1 R231.1 TP4.1 U11.19 U11.33 U11.34
VCC4V0_SYS: C198.2 C199.2 C204.2 C462.2 U2.D1 U2.D2 U2.E1 U2.E2 U18.21 U18.64 U19.1 U19.2 U36.2 U37.2 U38.2 U39.2 U40.D1 U40.D2 U40.E1 U40.E2 U41.2 U42.2 U52.4 U54.D1 U54.D2 U54.E1 U54.E2
VCC5V0_SYS: C140.2 C149.1 C155.1 C161.1 C167.1 C173.1 C176.1 C179.1 C182.1 C187.1 C192.1 C231.1 C232.1 C233.1 C234.1 C235.1 C305.2 C306.2 C413.2 R33.2 TP5.1 U16.1 U18.1 U18.7 U18.22 U18.27 U18.28 U18.33 U18.34 U18.52 U18.53 U18.54 U27.3 U30.2